# KiCad board main-board-rev1.kicad_pcb (continued)
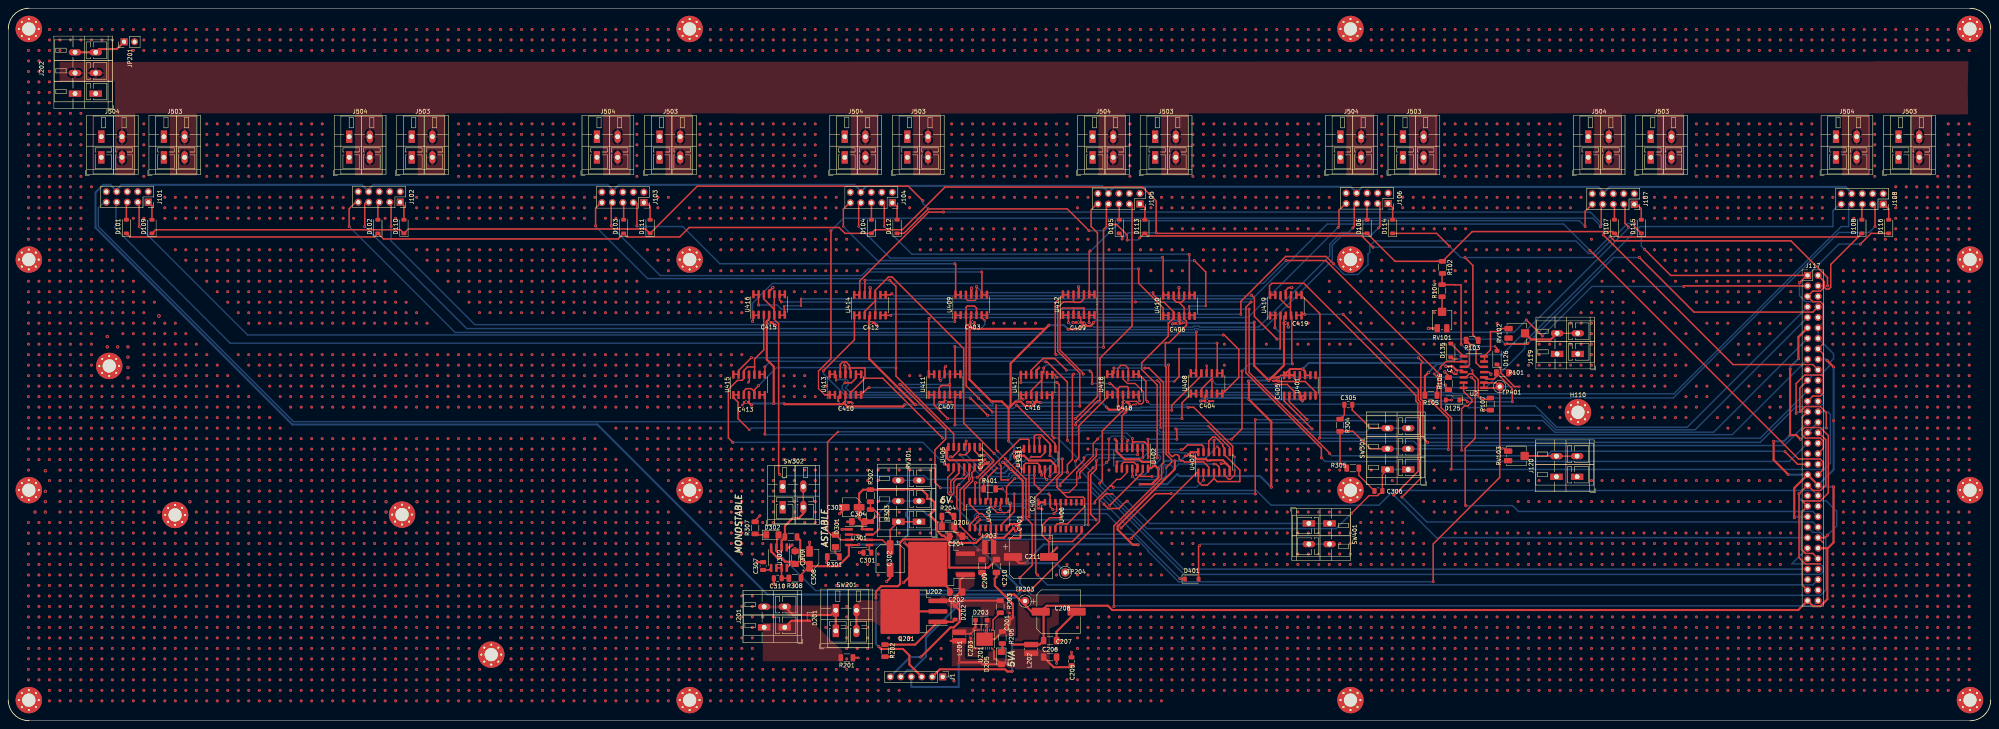
[diagram p0: board, top side]
## Routing (per net, layer and track width the routed paths; a pad name or vN(x,y) marks a point on that pad's centre or on a via; arc(x,y) is an arc through that point) (continued)
v1(451.93,32.75) v1(451.93,30.21) v1(451.93,27.67) v1(451.93,25.13) v1(451.93,22.59) v1(451.93,20.05) v1(451.93,17.51) v1(451.93,14.97) v1(451.93,12.43) v1(451.93,9.89) v1(451.93,7.35) v1(454.47,167.37) v1(454.47,164.83) v1(454.47,162.29) v1(454.47,116.57) v1(454.47,114.03) v1(454.47,111.49) v1(454.47,108.95) v1(454.47,106.41) v1(454.47,103.87) v1(454.47,101.33) v1(454.47,98.79) v1(454.47,96.25) v1(454.47,93.71) v1(454.47,91.17) v1(454.47,88.63) v1(454.47,86.09) v1(454.47,83.55) v1(454.47,81.01) v1(454.47,78.47) v1(454.47,75.93) v1(454.47,73.39) v1(454.47,70.85) v1(454.47,68.31) v1(454.47,65.77) v1(454.47,63.23) v1(454.47,60.69) v1(454.47,58.15) v1(454.47,55.61) v1(454.47,53.07) v1(454.47,50.53) v1(454.47,47.99) v1(454.47,45.45) v1(454.47,42.91) v1(454.47,40.37) v1(454.47,37.83) v1(454.47,35.29) v1(454.47,32.75) v1(454.47,30.21) v1(454.47,27.67) v1(454.47,25.13) v1(454.47,22.59) v1(454.47,20.05) v1(454.47,17.51) v1(454.47,14.97) v1(454.47,12.43) v1(454.47,9.89) v1(454.47,7.35) v1(457.01,167.37) v1(457.01,164.83) v1(457.01,162.29) v1(457.01,129.27) v1(457.01,126.73) v1(457.01,124.19) v1(457.01,121.65) v1(457.01,119.11) v1(457.01,116.57) v1(457.01,114.03) v1(457.01,111.49) v1(457.01,108.95) v1(457.01,106.41) v1(457.01,103.87) v1(457.01,101.33) v1(457.01,98.79) v1(457.01,96.25) v1(457.01,93.71) v1(457.01,91.17) v1(457.01,88.63) v1(457.01,86.09) v1(457.01,83.55) v1(457.01,81.01) v1(457.01,78.47) v1(457.01,75.93) v1(457.01,73.39) v1(457.01,70.85) v1(457.01,68.31) v1(457.01,65.77) v1(457.01,63.23) v1(457.01,60.69) v1(457.01,58.15) v1(457.01,55.61) v1(457.01,53.07) v1(457.01,50.53) v1(457.01,47.99) v1(457.01,45.45) v1(457.01,42.91) v1(457.01,40.37) v1(457.01,37.83) v1(457.01,35.29) v1(457.01,32.75) v1(457.01,30.21) v1(457.01,27.67) v1(457.01,25.13) v1(457.01,22.59) v1(457.01,20.05) v1(457.01,17.51) v1(457.01,14.97) v1(457.01,12.43) v1(457.01,9.89) v1(457.01,7.35) v1(459.55,167.37) v1(459.55,164.83) v1(459.55,162.29) v1(459.55,129.27) v1(459.55,126.73) v1(459.55,124.19) v1(459.55,121.65) v1(459.55,119.11) v1(459.55,116.57) v1(459.55,114.03) v1(459.55,111.49) v1(459.55,108.95) v1(459.55,106.41) v1(459.55,103.87) v1(459.55,101.33) v1(459.55,98.79) v1(459.55,96.25) v1(459.55,93.71) v1(459.55,91.17) v1(459.55,88.63) v1(459.55,86.09) v1(459.55,83.55) v1(459.55,81.01) v1(459.55,78.47) v1(459.55,75.93) v1(459.55,73.39) v1(459.55,70.85) v1(459.55,68.31) v1(459.55,65.77) v1(459.55,63.23) v1(459.55,60.69) v1(459.55,58.15) v1(459.55,55.61) v1(459.55,53.07) v1(459.55,50.53) v1(459.55,47.99) v1(459.55,45.45) v1(459.55,42.91) v1(459.55,40.37) v1(459.55,37.83) v1(459.55,35.29) v1(459.55,32.75) v1(459.55,30.21) v1(459.55,27.67) v1(459.55,25.13) v1(459.55,22.59) v1(459.55,20.05) v1(459.55,17.51) v1(459.55,14.97) v1(459.55,12.43) v1(459.55,9.89) v1(459.55,7.35) v1(462.09,167.37) v1(462.09,164.83) v1(462.09,162.29) v1(462.09,129.27) v1(462.09,126.73) v1(462.09,124.19) v1(462.09,121.65) v1(462.09,119.11) v1(462.09,116.57) v1(462.09,114.03) v1(462.09,111.49) v1(462.09,108.95) v1(462.09,106.41) v1(462.09,103.87) v1(462.09,101.33) v1(462.09,98.79) v1(462.09,96.25) v1(462.09,93.71) v1(462.09,91.17) v1(462.09,88.63) v1(462.09,86.09) v1(462.09,83.55) v1(462.09,81.01) v1(462.09,78.47) v1(462.09,75.93) v1(462.09,73.39) v1(462.09,70.85) v1(462.09,68.31) v1(462.09,65.77) v1(462.09,63.23) v1(462.09,60.69) v1(462.09,58.15) v1(462.09,55.61) v1(462.09,53.07) v1(462.09,50.53) v1(462.09,47.99) v1(462.09,45.45) v1(462.09,42.91) v1(462.09,40.37) v1(462.09,37.83) v1(462.09,35.29) v1(462.09,32.75) v1(462.09,30.21) v1(462.09,27.67) v1(462.09,25.13) v1(462.09,22.59) v1(462.09,20.05) v1(462.09,17.51) v1(462.09,14.97) v1(462.09,12.43) v1(462.09,9.89) v1(462.09,7.35) v1(464.63,167.37) v1(464.63,164.83) v1(464.63,162.29) v1(464.63,129.27) v1(464.63,126.73) v1(464.63,124.19) v1(464.63,121.65) v1(464.63,119.11) v1(464.63,116.57) v1(464.63,114.03) v1(464.63,111.49) v1(464.63,108.95) v1(464.63,106.41) v1(464.63,103.87) v1(464.63,101.33) v1(464.63,98.79) v1(464.63,96.25) v1(464.63,93.71) v1(464.63,91.17) v1(464.63,88.63) v1(464.63,86.09) v1(464.63,83.55) v1(464.63,81.01) v1(464.63,78.47) v1(464.63,75.93) v1(464.63,73.39) v1(464.63,70.85) v1(464.63,68.31) v1(464.63,65.77) v1(464.63,63.23) v1(464.63,60.69) v1(464.63,58.15) v1(464.63,55.61) v1(464.63,53.07) v1(464.63,50.53) v1(464.63,47.99) v1(464.63,45.45) v1(464.63,42.91) v1(464.63,40.37) v1(464.63,37.83) v1(464.63,35.29) v1(464.63,32.75) v1(464.63,30.21) v1(464.63,27.67) v1(464.63,25.13) v1(464.63,22.59) v1(464.63,20.05) v1(464.63,17.51) v1(464.63,14.97) v1(464.63,12.43) v1(464.63,9.89) v1(464.63,7.35) v1(467.17,167.37) v1(467.17,164.83) v1(467.17,162.29) v1(467.17,131.81) v1(467.17,129.27) v1(467.17,126.73) v1(467.17,124.19) v1(467.17,121.65) v1(467.17,119.11) v1(467.17,116.57) v1(467.17,114.03) v1(467.17,111.49) v1(467.17,108.95) v1(467.17,106.41) v1(467.17,103.87) v1(467.17,101.33) v1(467.17,98.79) v1(467.17,96.25) v1(467.17,93.71) v1(467.17,91.17) v1(467.17,88.63) v1(467.17,86.09) v1(467.17,83.55) v1(467.17,81.01) v1(467.17,78.47) v1(467.17,75.93) v1(467.17,73.39) v1(467.17,70.85) v1(467.17,68.31) v1(467.17,65.77) v1(467.17,63.23) v1(467.17,60.69) v1(467.17,58.15) v1(467.17,55.61) v1(467.17,53.07) v1(467.17,50.53) v1(467.17,47.99) v1(467.17,45.45) v1(467.17,42.91) v1(467.17,40.37) v1(467.17,37.83) v1(467.17,35.29) v1(467.17,32.75) v1(467.17,30.21) v1(467.17,27.67) v1(467.17,25.13) v1(467.17,22.59) v1(467.17,20.05) v1(467.17,17.51) v1(467.17,14.97) v1(467.17,12.43) v1(467.17,9.89) v1(467.17,7.35) v1(469.71,167.37) v1(469.71,164.83) v1(469.71,162.29) v1(469.71,144.51) v1(469.71,141.97) v1(469.71,139.43) v1(469.71,136.89) v1(469.71,134.35) v1(469.71,131.81) v1(469.71,129.27) v1(469.71,126.73) v1(469.71,124.19) v1(469.71,121.65) v1(469.71,119.11) v1(469.71,116.57) v1(469.71,114.03) v1(469.71,111.49) v1(469.71,108.95) v1(469.71,106.41) v1(469.71,103.87) v1(469.71,101.33) v1(469.71,98.79) v1(469.71,96.25) v1(469.71,93.71) v1(469.71,91.17) v1(469.71,88.63) v1(469.71,86.09) v1(469.71,83.55) v1(469.71,81.01) v1(469.71,78.47) v1(469.71,75.93) v1(469.71,73.39) v1(469.71,70.85) v1(469.71,68.31) v1(469.71,65.77) v1(469.71,63.23) v1(469.71,60.69) v1(469.71,58.15) v1(469.71,55.61) v1(469.71,53.07) v1(469.71,50.53) v1(469.71,47.99) v1(469.71,45.45) v1(469.71,42.91) v1(469.71,40.37) v1(469.71,37.83) v1(469.71,35.29) v1(469.71,32.75) v1(469.71,30.21) v1(469.71,27.67) v1(469.71,25.13) v1(469.71,22.59) v1(469.71,20.05) v1(469.71,17.51) v1(469.71,14.97) v1(469.71,12.43) v1(469.71,9.89) v1(469.71,7.35) v1(472.25,162.29) v1(472.25,144.51) v1(472.25,141.97) v1(472.25,139.43) v1(472.25,136.89) v1(472.25,134.35) v1(472.25,131.81) v1(472.25,129.27) v1(472.25,126.73) v1(472.25,124.19) v1(472.25,121.65) v1(472.25,119.11) v1(472.25,116.57) v1(472.25,106.41) v1(472.25,103.87) v1(472.25,101.33) v1(472.25,98.79) v1(472.25,96.25) v1(472.25,93.71) v1(472.25,91.17) v1(472.25,88.63) v1(472.25,86.09) v1(472.25,83.55) v1(472.25,81.01) v1(472.25,78.47) v1(472.25,75.93) v1(472.25,73.39) v1(472.25,70.85) v1(472.25,68.31) v1(472.25,65.77) v1(472.25,63.23) v1(472.25,60.69) v1(472.25,50.53) v1(472.25,47.99) v1(472.25,45.45) v1(472.25,42.91) v1(472.25,40.37) v1(472.25,37.83) v1(472.25,35.29) v1(472.25,32.75) v1(472.25,30.21) v1(472.25,27.67) v1(472.25,25.13) v1(472.25,22.59) v1(472.25,20.05) v1(472.25,17.51) v1(472.25,14.97) v1(472.25,12.43) v1(472.25,9.89) v1(474.79,162.29) v1(474.79,144.51) v1(474.79,141.97) v1(474.79,139.43) v1(474.79,136.89) v1(474.79,134.35) v1(474.79,131.81) v1(474.79,129.27) v1(474.79,126.73) v1(474.79,124.19) v1(474.79,121.65) v1(474.79,119.11) v1(474.79,116.57) v1(474.79,106.41) v1(474.79,103.87) v1(474.79,101.33) v1(474.79,98.79) v1(474.79,96.25) v1(474.79,93.71) v1(474.79,91.17) v1(474.79,88.63) v1(474.79,86.09) v1(474.79,83.55) v1(474.79,81.01) v1(474.79,78.47) v1(474.79,75.93) v1(474.79,73.39) v1(474.79,70.85) v1(474.79,68.31) v1(474.79,65.77) v1(474.79,63.23) v1(474.79,60.69) v1(474.79,50.53) v1(474.79,47.99) v1(474.79,45.45) v1(474.79,42.91) v1(474.79,40.37) v1(474.79,37.83) v1(474.79,35.29) v1(474.79,32.75) v1(474.79,30.21) v1(474.79,27.67) v1(474.79,25.13) v1(474.79,22.59) v1(474.79,20.05) v1(474.79,17.51) v1(474.79,14.97) v1(474.79,12.43) v1(474.79,9.89) v2(6.48,50.53) v2(8.98,60.53) v2(8.98,55.53) v2(8.98,53.03) v2(8.98,50.53) v2(23.98,93.03) v2(23.98,90.53) v2(26.48,90.53) v2(28.98,90.53) v2(28.98,88.03) v2(28.98,85.53) v2(28.98,83.03) v2(36.48,98.03) v2(36.48,98.03) v2(36.48,50.53) v2(43.98,53.03) v2(91.48,53.03) v2(91.48,50.53) v2(98.98,53.03) v2(185.7,95.78)
